# KiCad board atonceplus.kicad_pcb (continued)
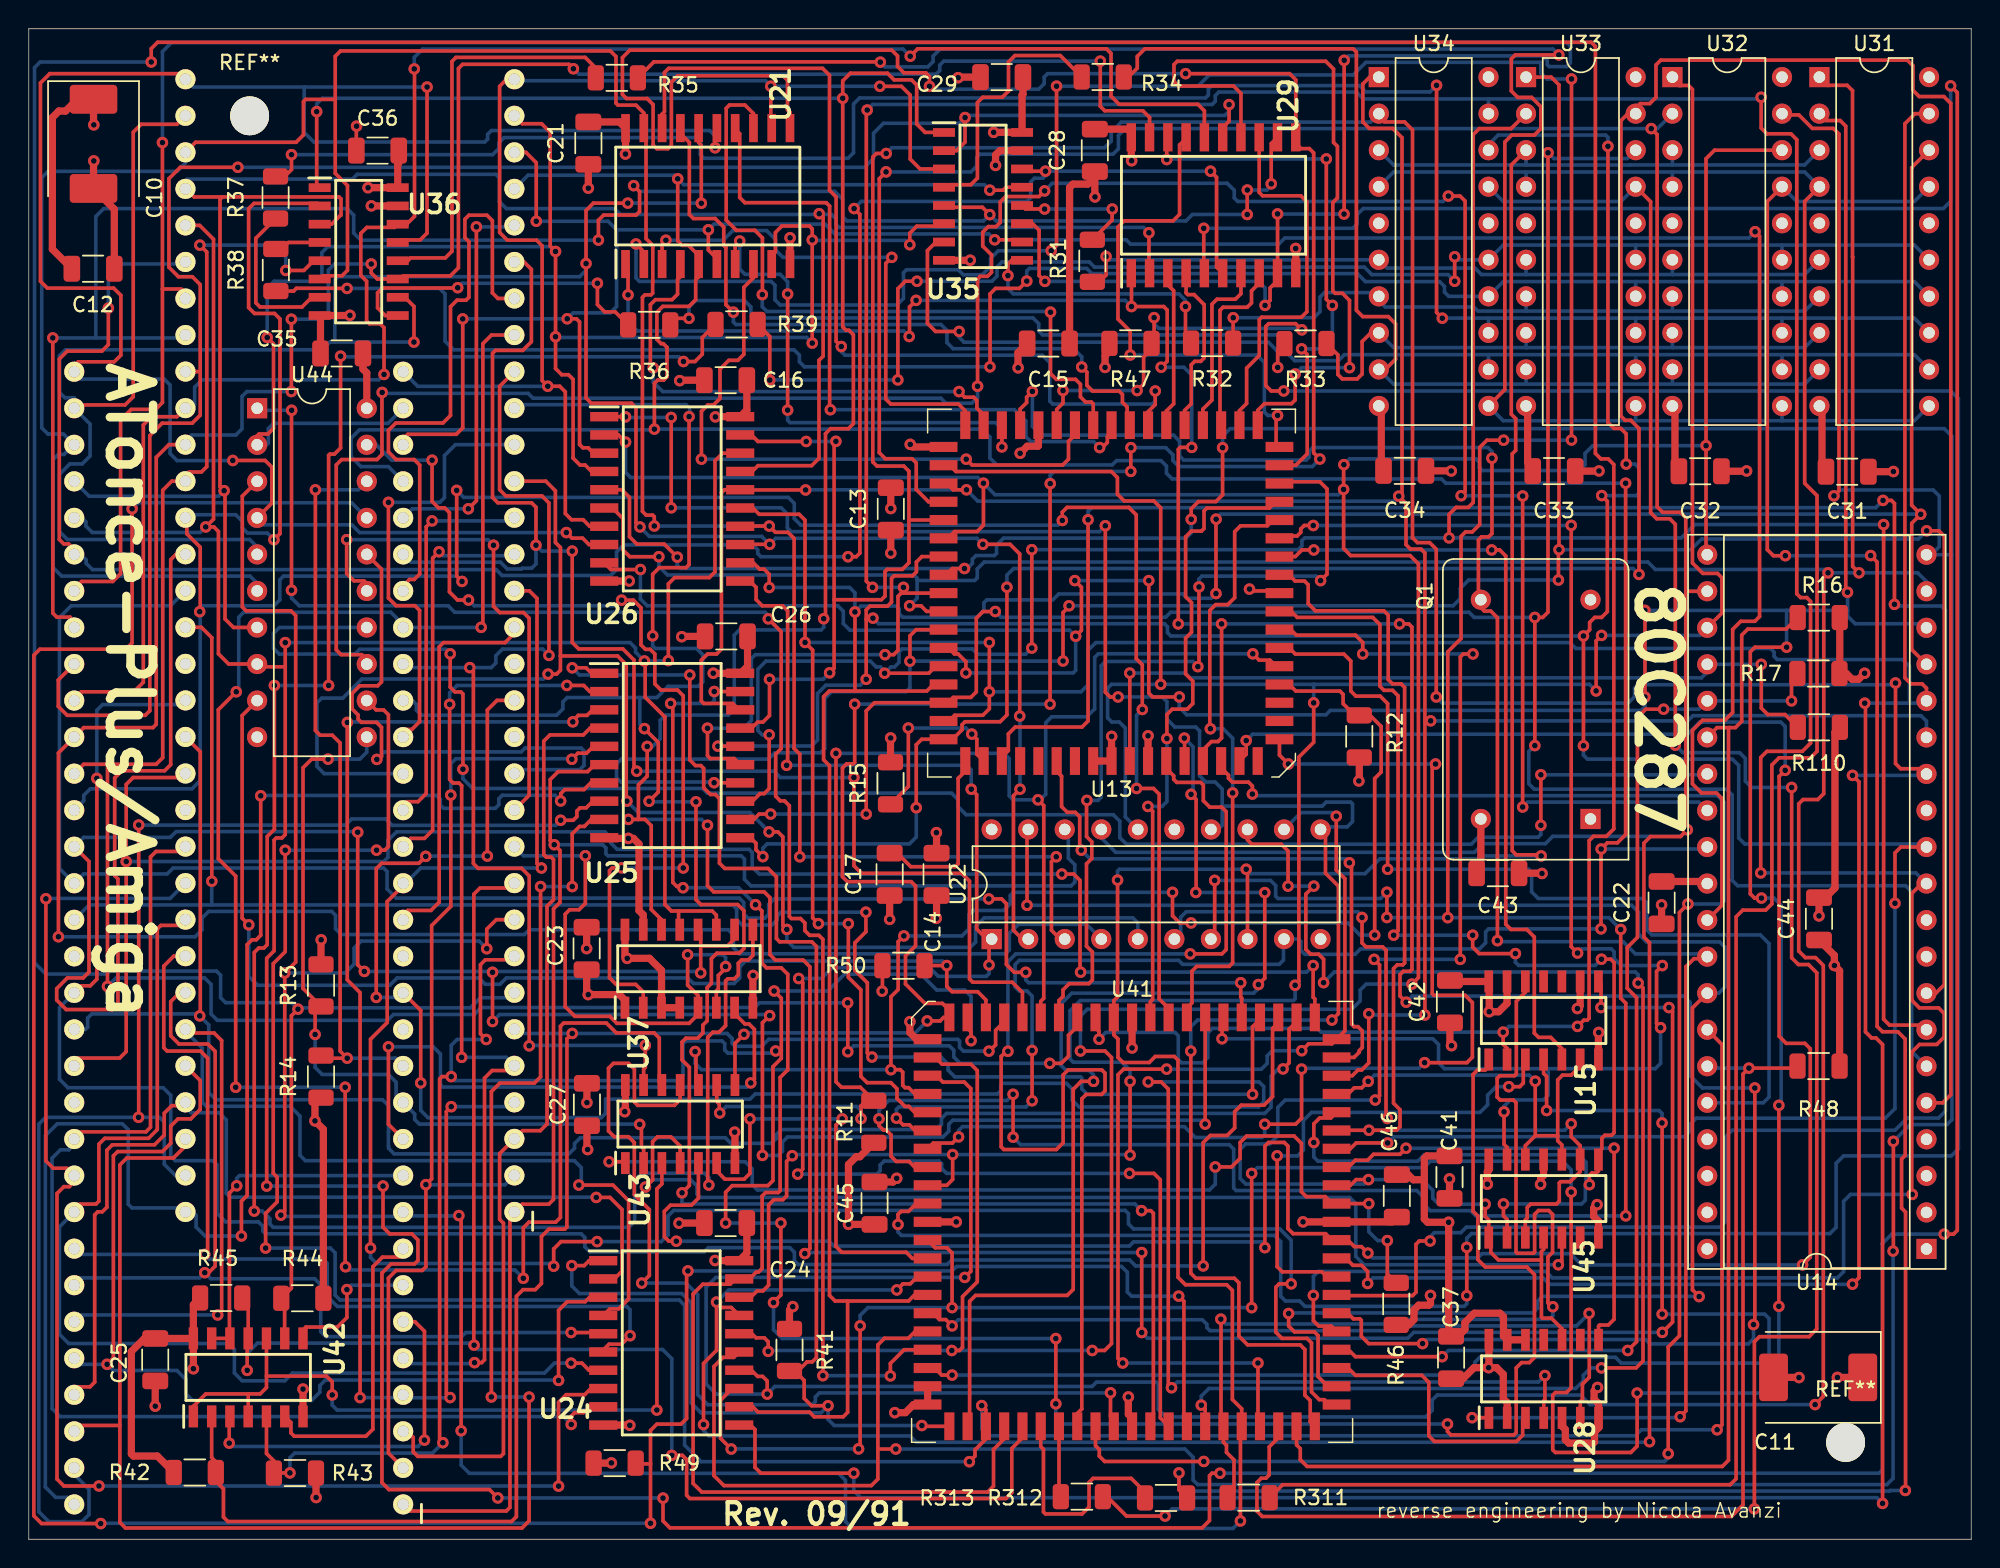
[diagram p0: board, top side]
## Routing (per net, layer and track width the routed paths; a pad name or vN(x,y) marks a point on that pad's centre or on a via; arc(x,y) is an arc through that point)
GND: length 161.6
  Top w0.25: v1(22.78,98.23) 22.77,98.22 C36.2 ; v1(84.84,66.05) 84.97,65.92 86.4,65.92 86.55,65.77 U13.9
  Top w0.5: U41.43 76.68,8.43 76.42,8.69 v1(76.42,9.89) ; 96.99,24.99 96.22,24.99 95.87,25.34 C46.2 ; 96.99,24.99 96.99,22.26 97.22,22.03 v1(98.68,22.03) 98.68,14.28 C37.2 99.34,14.11 99.81,14.58 99.81,15.06 100.46,15.71 102.25,15.71 102.49,15.47 102.49,14.12 U28.13 U28.12 ; 96.99,24.99 96.99,26.48 97.16,26.64 C41.2 ; U37.15 42.7,43.41 42.41,43.7 42.41,48.33 42.02,48.72 v1(41.67,48.72) 40.04,48.72 U25.10 ; U26.10 41.72,66.61 v1(41.73,66.61) ; v1(74.1,93.31) 74.09,93.32 74.09,95.08 74.09,94.69 73.6,94.2 72.57,94.2 72.34,93.97 C15.2 ; v1(50.34,39.19) 50.32,39.17 U37.8 ; v1(49.06,28.3) 49.08,28.28 U43.7 ; C22.2 116.5,45.72 U14.30 ; U15.7 109.09,35.21 v1(109.11,35.23) ; C23.2 38.77,37.97 v1(38.88,37.86) 41.05,37.86 41.44,37.47 U37.1 ; v1(45.38,62.74) 45.4,62.76 C26.2 ; v1(76.68,34.15) U41.1 ; v1(88.05,89.73) 88.06,89.72 U29.10 ; C32.2 119.37,74.24 v1(119.39,74.26) ; 39.92,7.94 41.75,7.94 v1(41.77,7.92) ; v1(22.32,85.08) 22.31,85.06 U36.8 20.28,85.01 C35.2 ; v1(67.19,95.5) 67.19,96.23 67.49,96.53 U35.15 ; v1(98.86,74.26) 98.85,74.27 C34.2 ; v1(65.43,88.91) 65.43,88.91 U35.8 ; C33.2 109.12,74.25 v1(109.13,74.26) ; v1(123.03,11.24) 123.02,11.25 C11.2 ; v1(129.59,74.22) 129.58,74.21 C31.2 ; v1(23.81,92.69) 23.81,92.69 U36.15 ; C13.2 v1(59.91,71.65) ; C29.2 64.63,101.64 v1(64.59,101.6) ; C12.2 5.94,92.45 C10.2 4.5,95.8 v1(4.52,95.81) ; v1(45.19,21.97) 45.2,21.98 C24.2 ; C14.2 63.09,43.18 v1(63.07,43.16) ; U45.11 105.28,25.3 105.07,25.09 v1(105.07,24.67) ; v1(109,23.26) 108.76,23.02 108.76,22.44 109.09,22.11 U45.7 ; v1(109.03,10.55) 108.79,10.31 108.79,9.74 109.1,9.43 U28.7 109.1,7.74 108.82,7.46 108.82,6.77 108.73,6.68 107.03,6.68 106.79,6.92 106.79,7.63 106.56,7.86 U28.5 ; U42.7 v1(19.06,10.44) ; v1(60.32,25.09) 60.06,24.83 C45.2 ; v1(52.91,90.47) 52.91,90.47 U21.10 ; v1(98.88,34.31) 98.77,34.42 C42.2 ; R110.1 125.53,56.1 125.53,45.27 124.87,44.61 C44.2 v1(124.42,43.33) ; 38.89,95.58 v1(38.89,93.92) ; U13.35 61.44,75.93 v1(61.26,76.11) ; C16.2 45.27,80.57 v1(45.24,80.54) ; v1(75.26,55.81) 75.25,55.8 U13.60 U13.59 ; v1(105.17,46.28) 105.15,46.3 C43.2 ; C27.2 v1(38.79,30.35) ; C17.2 v1(59.83,43.09) ; C25.2 v1(8.79,9.25)
VCC: length 215
  Top w0.25: v1(59.31,38.1) 59.33,38.12 R50.1
  Top w0.5: R11.2 57.76,26.59 57.51,26.59 56.97,26.05 v1(56.97,21.89) 56.97,21.89 C45.1 ; U28.2 102.75,9.5 102.48,9.77 102.48,11.46 102.01,11.93 v1(101.46,11.93) ; C13.1 v1(59.91,68.55) ; v1(61.24,35.98) 61.24,35.22 61.7,34.76 U41.12 ; v1(47.7,19.38) 47.71,19.36 49.38,19.36 49.91,19.89 C24.1 ; C33.1 104.53,74.5 104.17,74.86 104.17,78.67 U33.10 ; C27.1 38.79,27.14 v1(38.84,27.09) ; R43.1 19.96,2.91 v1(19.97,2.9) ; C11.1 v1(125.7,11.25) ; C41.1 v1(98.74,25.05) ; v1(107.63,36.89) 107.82,37.08 U15.9 ; v1(101.37,24.68) 101.37,25.55 101.47,25.65 U45.14 ; C46.1 94.75,22.06 U41.64 88.56,22.06 v1(88.56,22.06) ; v1(67.06,97.8) 68.11,97.8 68.12,97.8 U35.16 69.03,100.39 69.09,100.45 C29.1 ; U34.10 94,78.61 94,74.42 C34.1 ; U15.13 102.74,37.25 102.16,36.67 v1(101.5,36.67) 101.5,38.74 U15.14 98.84,38.77 C42.1 ; v1(40.49,5.31) 40.47,5.29 R49.1 ; C16.1 49.91,78.5 U26.20 47.74,78.03 v1(47.72,78.02) ; R13.1 20.31,41.66 v1(20.32,41.67) ; v1(47.57,60.2) 47.57,60.19 U25.20 49.47,60.19 49.96,60.67 49.96,62.76 ; C12.1 1.64,89.67 1.64,98.83 2.09,99.28 2.56,99.28 3.38,100.1 C10.1 4.5,98.34 v1(4.52,98.32) ; C21.1 41.05,98.53 U21.20 41.47,96.3 v1(41.47,96.29) ; R47.1 75.11,82.58 74.8,82.27 v1(74.8,81.46) ; U13.62 v1(77.79,55.85) ; R15.1 59.89,55.69 v1(59.9,55.7) ; R44.1 20.47,28.5 v1(19.89,29.08) 19.89,30.28 R14.1 ; R12.1 92.47,52.74 v1(92.44,52.71) ; v1(76.65,95.83) 76.62,95.85 U29.20 76.62,97.78 76.38,98.03 C28.1 ; v1(60.19,8.8) 60.93,8.8 61.49,9.36 U41.32 U41.31 ; C43.1 100.92,46.59 Q1.14 ; v1(23.58,93.95) 23.58,93.95 U36.16 25.64,95.6 25.72,95.67 25.72,96.53 ; R46.1 95.9,14.9 96.27,15.27 96.27,15.94 96.6,16.27 97.31,16.27 97.42,16.38 v1(97.42,16.95) ; C14.1 63.09,49.11 v1(63.08,49.12) ; C31.1 124.63,74.48 124.63,78.6 U31.10 ; v1(127.59,60.2) 127.17,59.78 126.72,59.78 126.32,60.18 R17.1 125.86,60.2 R16.1 ; U43.14 41.46,29.76 v1(41.42,29.72) ; U42.14 11.44,16.3 R45.1 ; U42.14 11.43,13.96 8.03,13.96 7.13,13.05 7.13,5.93 7.28,5.78 8.94,5.78 10.08,4.64 ; U42.14 v1(11.44,11.85) ; U44.20 23.49,81.08 23.22,81.34 C35.1 ; U41.22 64.46,22.06 v1(64.46,22.06) ; v1(68.9,75.49) 69.39,75.98 70.13,75.98 70.17,76.02 U13.30 ; v1(101.46,11.93) 100.44,11.93 99.68,11.16 C37.1 ; v1(101.46,11.93) 101.48,11.94 U28.14 ; C22.1 v1(113.48,44.1) ; C23.1 v1(38.77,41.06) ; U37.4 U37.3 43.97,39.55 43.14,40.38 v1(41.59,40.38) 41.44,40.53 U37.16 ; C44.1 125.49,40.58 v1(125.49,39.88) 125.85,39.52 R48.1 ; U32.10 114.41,78.6 114.41,74.52 C32.1 ; 69.38,83.12 68.75,82.48 68.75,81.44 v1(68.76,81.43) ; v1(53.1,16.17) 52.87,15.94 R41.1
6_A0: length 35.8
  Top w0.25: v1(59.98,89.11) 59.56,88.69 59.56,79.26 59.91,78.91 64.61,78.91 65.09,78.43 U13.34 ; 44.02,88.72 44.02,90.03 v1(44.28,90.3)
  Bottom w0.25: v1(59.98,89.11) 52.41,89.11 51.91,89.61 51.91,90.34 51.28,90.97 48.93,90.97 48.26,90.3 v1(44.28,90.3)
6_A1: length 34.8
  Top w0.25: v1(43.4,81.43) 43.2,81.63 43.2,85.82 43.55,86.17 44.71,86.17 45.09,86.55 45.09,87.57 45.28,87.77 45.28,88.72 ; U13.33 66.36,78.16 65.89,78.63 65.89,79.17 65.67,79.39 65.04,79.39 v1(64.65,79.78)
  Bottom w0.25: v1(43.4,81.43) 43.4,80.44 44.06,79.78 v1(64.65,79.78)
6_A2: length 34.8
  Top w0.25: 49.09,88.72 49.09,89.93 v1(49.41,90.24) ; U13.32 v1(67.63,75.93) ; v1(52.74,78.49) v1(52.74,86.56)
  Bottom w0.25: v1(67.63,75.93) 67.63,77.21 67.22,77.62 52.91,77.62 52.74,77.79 v1(52.74,78.49) ; v1(52.74,86.56) 52.74,87.41 52.22,87.93 49.78,87.93 49.41,88.3 v1(49.41,90.24)
6_A3: length 44.1
  Top w0.25: U13.28 72.71,76.77 72.26,76.32 72.26,75.08 71.85,74.67 65.56,74.67 v1(65.15,75.08) ; 50.37,88.72 50.37,87.69 49.7,87.03 49.7,82.37 49.28,81.95 48.65,81.95 48.04,81.34 48.04,79.3 47.59,78.85 47.19,78.85 46.75,78.41 v1(46.75,75.08)
  Bottom w0.25: v1(65.15,75.08) v1(46.75,75.08)
6_A4: length 49.2
  Top w0.25: 50.37,98.02 50.37,99.1 49.77,99.7 48.7,99.7 48.47,99.47 48.47,91.7 49.18,90.99 50.46,90.99 50.99,90.46 50.99,86.53 v1(50.98,86.52) ; U13.27 73.98,78.92 73.85,79.05 73.45,79.05 73.09,79.41 73.09,80.29 72.75,80.63 71.41,80.63 71.01,81.03 v1(71.01,85.3)
  Bottom w0.25: v1(50.98,86.52) 50.98,85.67 51.3,85.35 70.96,85.35 v1(71.01,85.3)
6_A5: length 48
  Top w0.25: U13.26 75.25,76.92 74.96,76.63 74.96,76.24 74.61,75.89 v1(74.42,75.89) ; v1(55.71,78.52) 55.66,78.57 55.66,92.67 55.42,92.91 49.77,92.91 49.41,93.27 49.41,97.7 49.09,98.02
  Bottom w0.25: v1(74.42,75.89) 74.01,76.3 69.65,76.3 69.3,76.65 69.3,77.73 68.51,78.52 v1(55.71,78.52)
6_A6: length 48.7
  Top w0.25: U13.25 76.52,78.06 76.34,78.24 76.34,78.7 76.01,79.03 76.01,79.58 75.78,79.81 73.94,79.81 73.54,80.21 73.54,81.13 v1(73.18,81.49) ; v1(48.97,85.3) 48.45,85.82 48.45,89.79 48.3,89.94 48.3,91.21 47.7,91.81 46.19,91.81 45.91,92.09 45.91,97.1 45.28,97.72 45.28,98.02
  Bottom w0.25: v1(73.18,81.49) 73.18,82.2 72.62,82.76 64.24,82.76 63.81,83.19 63.81,84.03 63.4,84.44 49.15,84.44 48.97,84.62 v1(48.97,85.3)
6_A7: length 63.6
  Top w0.25: v1(56.47,82.91) 56.11,83.27 56.11,93.31 55.65,93.77 55.65,101.77 55.17,102.25 44.47,102.25 44.18,101.96 44.18,99.23 44.02,99.06 44.02,98.02 ; U13.24 77.79,78.38 78.29,78.88 v1(78.29,79.82)
  Bottom w0.25: v1(78.29,79.82) 78.29,79.12 78.08,78.91 71.17,78.91 70.96,79.12 70.96,81.79 70.44,82.31 56.72,82.31 56.47,82.56 v1(56.47,82.91)
6_A8: length 11
  Top w0.25: 79.16,88.08 79.16,87.19 79.57,86.79 79.57,78.93 79.06,78.42 U13.23
6_A9: length 12.2
  Top w0.25: 80.44,88.08 80.44,86.63 80.55,86.52 80.99,86.52 81.69,85.82 81.69,82.12 81.45,81.88 81.03,81.88 80.79,81.64 80.79,78.93 80.33,78.47 U13.22
6_A10: length 12.5
  Top w0.25: U13.21 81.6,78.56 82.23,79.19 82.23,85.85 82.58,86.2 83.86,86.2 84.25,86.59 84.25,88.08
6_A11: length 12.8
  Top w0.25: 85.51,88.08 85.51,87.31 84.98,86.78 84.98,85.94 84.68,85.64 83,85.64 82.79,85.43 82.79,78.13 82.87,78.06 U13.20
6_A12: length 26.4
  Top w0.25: 85.51,97.38 85.51,93.62 85.75,93.39 88.41,93.39 88.83,92.97 88.83,85.33 88.45,84.95 85.69,84.95 85.52,84.78 85.52,82.29 84.64,81.41 84.64,78.95 84.14,78.45 U13.19
6_A13: length 52.2
  Top w0.25: v1(88.01,81) 88.01,79.19 87.76,78.94 85.88,78.94 85.41,78.47 U13.18 ; v1(91.79,81.44) 91.79,86.12 91.3,86.61 90.79,86.61 90.63,86.77 90.63,92.92 90.95,93.24 90.95,96.83 90.68,97.1 90.68,102.2 90.14,102.74 79.82,102.74 79.59,102.51 79.59,101.34 79.91,101.02 83.73,101.02 84.25,100.5 84.25,97.38
  Bottom w0.25: v1(88.01,81) 88.45,81.44 v1(91.79,81.44)
6_A14: length 35.7
  Top w0.25: v1(76.55,82.32) 76.55,83.97 75.7,84.82 75.7,91.22 76.13,91.65 79.53,91.65 79.98,92.1 79.98,96.92 80.44,97.38 ; v1(86.79,78.12) 86.69,78.02 86.69,76.09 86.85,75.93 U13.17
  Bottom w0.25: v1(86.79,78.12) 86.11,78.12 85.87,78.36 85.87,81.81 85.36,82.32 v1(76.55,82.32)
6_A15: length 37.6
  Top w0.25: v1(79.09,95.91) 79.09,97.31 79.16,97.38 ; v1(88.46,82.75) 88.85,82.36 88.85,75.45 88.06,74.66 U13.16 ; v1(90.6,85.77) 90.18,86.19 v1(90.18,95.95)
  Bottom w0.25: v1(88.46,82.75) 90.17,82.75 90.6,83.18 v1(90.6,85.77) ; v1(79.09,95.91) 79.13,95.95 v1(90.18,95.95)
6_A16: length 59.5
  Top w0.25: v1(89.78,66.64) 90.23,67.09 90.23,73.01 89.73,73.51 87.35,73.51 87.23,73.39 U13.15 ; v1(81.25,60.66) 81.33,60.74 v1(81.33,66.2) ; U41.5 71.6,37.45 71.88,37.73 71.88,38.19 72.31,38.62 73.67,38.62 73.92,38.87 73.92,40.82 73.51,41.23 73.51,46.95 73.88,47.32 73.88,48.48 73.51,48.85 73.51,51.33 v1(73.54,51.36)
  Bottom w0.25: v1(81.25,60.66) 81.25,60.68 80.91,61.02 74.83,61.02 74.53,60.72 74.53,51.58 74.31,51.36 v1(73.54,51.36) ; v1(89.78,66.64) 89.47,66.95 81.53,66.95 81.33,66.75 v1(81.33,66.2)
6_A17: length 44.9
  Top w0.25: U41.84 77.95,37.36 78.11,37.52 78.11,50.61 v1(77.78,50.94) ; U13.14 86.66,72.12 86.22,71.68 81.88,71.68 81.68,71.48 81.68,70.26 81.5,70.08 80.8,70.08 80.4,69.68 80.4,65.52 80.81,65.11 80.81,63.05 80.4,62.64 80.4,60.15 80.9,59.65 80.9,58.09 80.51,57.7 79.47,57.7 79.1,57.33 v1(79.1,55.66)
  Bottom w0.25: v1(79.1,55.66) 79.1,51.28 78.76,50.94 v1(77.78,50.94)
6_A18: length 42.2
  Top w0.25: U13.13 86.48,70.85 86.08,70.45 84.22,70.45 83.81,70.04 83.81,65.45 83.33,64.97 82.49,64.97 82.08,64.56 82.08,56.34 ; v1(83.67,51.88) 83.67,40.07 83.42,39.82 81.17,39.82 80.84,39.49 80.84,37.28 80.49,36.93 ; U41.82 80.49,36.89
  Bottom w0.25: 82.08,56.34 v1(82.12,56.34) 83.01,56.34 83.67,55.68 v1(83.67,51.88)
6_A19: length 107.3
  Top w0.25: v1(107.64,40.75) 107.2,41.19 v1(107.2,70.48) ; v1(82.93,34.79) 82.93,36.17 U41.80 ; U45.13 102.74,27.24 102.53,27.45 v1(102.53,29.71) ; v1(113.41,35.56) 113.13,35.84 113.13,39.48 v1(113.53,39.88) ; v1(89.27,70.47) 88.64,70.47 88.4,70.23 88.4,69.99 88.15,69.74 87.72,69.74 87.56,69.58 U13.12
  Bottom w0.25: v1(113.41,35.56) 113.41,33.08 113.04,32.71 105.6,32.71 ; v1(113.53,39.88) 110.66,39.88 110.18,40.36 110.18,40.84 109.97,41.05 108.95,41.05 108.95,41.04 107.93,41.04 v1(107.64,40.75) ; v1(102.53,29.71) 102.53,30.1 102.97,30.54 105.27,30.54 105.6,30.87 105.6,32.71 ; v1(82.93,34.79) 97.58,34.79 97.98,34.39 97.98,33.12 98.39,32.71 105.6,32.71 ; v1(107.2,70.48) 107.19,70.47 v1(89.27,70.47)
6_A20: length 53.6
  Top w0.25: v1(101.67,68.77) 102.23,68.77 102.65,68.35 102.65,42.75 103.01,42.39 104.11,42.39 104.64,41.86 104.64,35.18 104.93,34.89 105.77,34.89 106.55,34.11 106.55,33.58 ; U13.11 88.02,68.31 88.48,68.77 v1(89.31,68.77)
  Bottom w0.25: v1(89.31,68.77) v1(101.67,68.77)
6_A21: length 76.3
  Top w0.25: U13.10 87.58,67.04 88.01,66.61 88.66,66.61 88.92,66.35 88.92,65.04 89.42,64.54 94.18,64.54 94.48,64.24 94.48,59.76 94.78,59.46 95.38,59.46 95.62,59.22 95.62,40.06 95.49,39.93 95.11,39.93 94.85,39.67 94.85,30.31 95.3,29.86 95.3,28.68 95.05,28.43 v1(93.14,28.43) 90.91,28.43 U41.69 ; 104.01,21.2 104.01,22.2 104.14,22.33 104.14,23.06 104.38,23.3 106.17,23.3 106.37,23.5 106.37,24.76 106.46,24.85 107.12,24.85 107.82,25.55 107.82,27.36 107.2,27.98 v1(107.2,28.88)
  Bottom w0.25: v1(93.14,28.43) 106.75,28.43 v1(107.2,28.88)
6_A22: length 98.5
  Top w0.25: v1(94.86,41.99) 95.17,42.3 95.17,58.63 94.79,59.01 94.19,59.01 93.9,59.3 93.9,63.59 93.41,64.08 88.16,64.08 87.74,64.5 U13.8 ; U41.70 90.49,29.28 89.71,29.28 89.31,28.88 v1(89.31,27.58) ; v1(103.32,40.71) 100.8,40.71 100.35,41.16 v1(100.35,41.99) ; v1(102.49,23.31) 102.49,22.48 102.74,22.23 102.74,21.2 ; v1(108.46,24.65) 108.46,25.28 108.64,25.46 108.95,25.46 109.09,25.6 109.09,26.9 109.33,27.14 109.33,27.88 109.53,28.08 110,28.08 110.18,28.26 110.18,40.09 109.95,40.32 v1(109.3,40.32)
  Bottom w0.25: v1(102.49,23.31) 107.92,23.31 108.18,23.57 108.18,24.53 108.3,24.65 v1(108.46,24.65) 108.46,24.77 108.23,25 108.23,26.2 107.7,26.73 96.98,26.73 96.53,26.28 89.6,26.28 89.31,26.57 v1(89.31,27.58) ; v1(103.32,40.71) 103.32,40.11 103.54,39.89 108.87,39.89 v1(109.3,40.32) ; v1(94.86,41.99) v1(100.35,41.99)
6_A23: length 103.7
  Top w0.25: v1(93.11,25) 92.25,25 91.85,24.6 U41.66 ; 105.13,19.4 105.12,19.41 102.14,19.41 101.61,19.94 101.61,21.14 101.54,21.2 101.47,21.2 101.47,22.19 101.22,22.44 v1(101.22,23.29) ; 105.13,19.4 105.13,15.44 105.2,15.37 105.82,15.37 106.56,14.63 U28.10 ; 105.13,19.4 105.13,20 105.28,20.15 U45.4 ; v1(93.5,40.31) 93.88,39.93 93.88,30.83 v1(93.58,30.53) ; v1(99.49,40.31) 99.49,61.33 99.7,61.54 v1(100.37,61.54) ; 105.28,20.33 105.28,21.2 ; U13.7 87.71,63.23 88.09,62.85 92.2,62.85 92.71,62.34 v1(92.71,61.54)
  Bottom w0.25: v1(92.71,61.54) v1(100.37,61.54) ; v1(99.49,40.31) v1(93.5,40.31) ; v1(101.22,23.29) 97.99,23.29 97.58,23.7 97.58,24.25 96.83,25 v1(93.11,25) 92.8,24.69 84.58,24.69 84.19,25.08 84.19,27.1 84.57,27.48 86.24,27.48 86.81,28.05 86.81,30.02 87.32,30.53 v1(93.58,30.53)
6_COD\~{INTA}: length 127.4
  Top w0.25: v1(85.04,51.8) 85.04,52.36 84.77,52.63 83.65,52.63 83.38,52.9 83.38,53.11 82.87,53.62 U13.66 ; v1(113.94,5.95) 113.94,13.36 114.72,14.14 114.72,43.57 v1(115.31,44.16) ; v1(81.66,5.4) 74.78,5.4 74.4,5.78 74.4,6.24 74.14,6.5 U41.41
  Bottom w0.25: v1(85.04,51.8) 85.15,51.69 117.36,51.69 117.82,51.23 117.82,44.37 117.61,44.16 v1(115.31,44.16) ; v1(113.94,5.95) 113.94,5.66 113.68,5.4 v1(81.66,5.4)
6_D0: length 219
  Top w0.25: U24.18 50.19,16.83 50.62,17.26 51.02,17.26 51.42,17.66 51.42,23.24 51.78,23.6 52.41,23.6 52.67,23.86 52.67,26.27 v1(53.06,26.66) ; v1(78.67,59.43) 78.67,71.7 78.19,72.18 76.13,72.18 75.66,72.65 75.66,73.8 75.24,74.22 64.44,74.22 64,74.66 U13.36 ; v1(88.01,38.51) 88.27,38.77 88.27,54.37 89.3,55.4 v1(89.3,58.14) ; U32.1 114.23,101.51 114.68,101.06 115.35,101.06 115.62,100.79 115.62,67.87 116.35,67.14 117.37,67.14 117.68,66.83 117.68,64.39 U14.23 ; v1(64.21,26.74) 64.21,25.01 63.8,24.6 U41.20 ; v1(109.31,62.83) 108.93,62.45 v1(108.93,58.97) ; v1(76.54,26.7) v1(76.54,31.83)
  Bottom w0.25: v1(53.06,26.66) 53.14,26.74 v1(64.21,26.74) 76.5,26.74 v1(76.54,26.7) ; 89.32,59.43 89.3,59.41 v1(89.3,58.14) ; 89.32,59.43 108.47,59.43 v1(108.93,58.97) ; 89.32,59.43 v1(78.67,59.43) 75.25,59.43 74.98,59.16 74.98,57.1 75.27,56.81 75.79,56.81 76.21,56.39 76.21,50.21 U22.16 ; v1(88.01,38.51) 88.01,37.56 87.9,37.45 73.08,37.45 72.37,36.74 72.36,36.74 72.36,33.39 72.59,33.16 75.97,33.16 76.54,32.59 v1(76.54,31.83) ; U14.23 116.12,62.83 v1(109.31,62.83)
6_D1: length 316.2
  Top w0.25: 115.16,65.88 115.16,49.43 v1(115.27,49.32) 114.8,48.85 112.71,48.85 112.25,48.39 112.25,41.86 112.64,41.47 v1(112.64,6.78) ; 115.16,65.88 115.16,71.01 114.78,71.39 113.55,71.39 113.17,71.77 113.17,97.65 v1(112.76,98.06) ; 115.16,65.88 115.18,65.9 U14.22 ; v1(46.89,7.97) 46.89,12.22 47.8,13.13 v1(47.8,16.48) 48.17,16.11 48.82,16.11 U24.17 ; v1(60.33,17.33) 60.75,17.75 61.26,17.75 61.76,18.25 U41.25 ; U13.38 62.53,72.12 61.68,72.97 61.68,74.82 61.39,75.11 59.53,75.11 59.11,75.53 59.11,94.58 v1(59.58,95.05)
  Bottom w0.25: v1(46.89,7.97) 46.89,7.56 47.27,7.18 61.25,7.18 61.69,6.74 112.6,6.74 v1(112.64,6.78) ; U22.17 74.54,48.75 75.54,47.75 100.47,47.75 101.07,48.35 105.4,48.35 105.91,48.86 114.81,48.86 v1(115.27,49.32) ; v1(47.8,16.48) 48.65,17.33 v1(60.33,17.33) ; U32.2 113.19,98.06 v1(112.76,98.06) 76.2,98.06 75.73,97.59 75.73,96.66 75.35,96.28 66.1,96.28 65.88,96.06 65.88,95.45 65.48,95.05 v1(59.58,95.05)
6_D2: length 262.4
  Top w0.25: U41.13 63.01,33.49 63.48,33.02 65.48,33.02 65.92,32.58 65.92,17.89 64.9,16.87 64.9,13.34 64.68,13.12 v1(64.15,13.12) ; v1(41.47,76.27) 40.98,76.77 U26.2 ; v1(66.35,73.41) 66.35,70.49 65.91,70.05 64.34,70.05 63.87,69.58 U13.40 ; U14.21 116.57,68.52 v1(116.57,76.02) 116.57,95.97 117.16,96.56 U32.18 ; v1(73.09,33.94) 74.8,33.94 75.25,33.49 75.25,13.6 74.77,13.12 v1(73.91,13.12) ; v1(96.13,38.59) 96.58,39.04 96.58,67.8 96,68.38 91.87,68.38 91.38,68.87 v1(91.38,72.98) 91.38,74.68 v1(91.4,74.7) ; v1(51.39,13.06) 51.39,13.73 51.12,14 50.54,14 50.25,14.28 49.38,14.28
  Top w0.5: U41.13 62.91,33.49
  Bottom w0.25: v1(116.57,76.02) 108.7,76.02 108.16,75.48 108.16,74.7 107.75,74.29 101.02,74.29 100.81,74.5 100.81,74.87 100.58,75.1 91.8,75.1 v1(91.4,74.7) ; v1(41.47,76.27) 41.47,74.17 41.83,73.81 65.95,73.81 v1(66.35,73.41) 67.15,72.61 91.01,72.61 v1(91.38,72.98) ; v1(96.13,38.59) 92.95,38.59 92.53,38.17 92.53,37.42 91.95,36.84 73.56,36.84 73.09,36.37 v1(73.09,33.94) ; v1(73.91,13.12) v1(64.15,13.12) 51.45,13.12 v1(51.39,13.06)
6_D3: length 334.7
  Top w0.25: v1(129.57,20.03) 129.59,20.05 v1(129.59,27.66) ; U26.5 41.22,72.95 41.75,72.43 41.75,69.69 42.26,69.18 44.16,69.18 v1(45.07,68.27) ; 59.01,6.3 59.01,13.51 59.47,13.97 61.13,13.97 61.6,14.44 U41.28 ; 59.01,6.3 59.01,4.18 58.56,3.73 48.31,3.73 47.62,4.42 47.62,12.01 48.25,12.64 49,12.64 49.38,13.01 ; 59.01,6.3 59.04,6.27 v1(60.26,6.27) ; U32.19 121.94,99.01 123.02,99.01 123.96,98.07 125.42,98.07 125.81,97.68 125.81,72.88 v1(125.46,72.53) ; v1(80.79,70.9) 80.79,71.63 81.29,72.13 82.5,72.13 82.97,72.6 v1(82.97,75.88) ; v1(65.03,67.48) 64.19,67.48 63.75,67.04 U13.42
  Bottom w0.25: v1(60.26,6.27) 80.35,6.27 80.92,5.7 80.92,4.12 81.24,3.8 129.14,3.8 129.57,4.23 v1(129.57,20.03) ; 133.66,68.45 133.66,76.67 133.13,77.2 83.49,77.2 82.97,76.68 v1(82.97,75.88) ; 133.66,68.45 133.66,29.17 133.32,28.83 130.76,28.83 v1(129.59,27.66) ; 133.66,68.45 133.65,68.44 U14.20 132.22,68.44 132.78,69 132.78,72.52 132.36,72.94 125.87,72.94 v1(125.46,72.53) ; v1(80.79,70.9) 80.79,69.96 80.42,69.59 67.74,69.59 67.26,69.11 67.26,68.53 67.11,68.38 65.83,68.38 65.58,68.13 65.58,67.84 65.22,67.48 v1(65.03,67.48) 45.29,67.48 45.07,67.7 v1(45.07,68.27)
6_D4: length 325.3
  Top w0.25: v1(125.05,67.18) 124.75,66.88 124.75,51.83 124.34,51.42 123.31,51.42 123.01,51.12 123.01,40.89 123.47,40.43 124.18,40.43 124.72,39.89 124.72,9.93 v1(124.15,9.36) ; U24.14 50.22,11.75 50.65,11.32 51,11.32 51.32,11 v1(51.32,10.09) ; v1(61.22,64.89) 62.01,64.89 62.4,64.5 U13.44 ; v1(65.05,18.2) 65.47,18.62 65.47,31.33 65.02,31.78 63.53,31.78 63.09,32.22 U41.14 ; U31.1 125.02,101.07 126.38,101.07 126.75,100.7 126.75,89.15 126.76,89.14 126.76,67.62 v1(127.2,67.18) ; U26.6 40.56,71.69 41.3,70.95 41.3,68.77 41.77,68.3 v1(43.79,68.3)
  Bottom w0.25: v1(124.15,9.36) 108.51,9.36 107.85,10.02 97.89,10.02 97.54,9.67 97.54,8.96 97.08,8.5 79.02,8.5 78.5,9.02 78.5,10.79 78.37,10.92 74.2,10.92 73.9,10.62 51.85,10.62 v1(51.32,10.09) 47.78,10.09 47.08,10.79 47.08,17.53 47.75,18.2 v1(65.05,18.2) ; 61.74,66.65 61.74,66.81 61.52,67.03 44.39,67.03 43.79,67.63 v1(43.79,68.3) ; 61.74,66.65 61.74,65.41 v1(61.22,64.89) ; 61.74,66.65 65.74,66.65 65.92,66.83 65.92,67.45 66.4,67.93 112.53,67.93 113.05,67.41 124.82,67.41 v1(125.05,67.18) v1(127.2,67.18) 131.28,67.18 131.89,66.57 U14.19
6_D5: length 352.5
  Top w0.25: v1(42.51,67.41) 40.46,67.41 U26.9 ; v1(57.67,6.28) 57.78,6.39 v1(57.78,14.83) ; v1(77.84,66.64) 77.84,58.82 78.11,58.55 v1(79.96,58.55) ; v1(72.7,66.64) 73.16,66.18 73.16,63.18 72.76,62.78 v1(72.76,62.77) ; U13.46 63.91,61.96 64.33,61.54 64.59,61.54 65.13,61 v1(65.13,60.22) ; v1(48.82,6.27) 48.07,7.02 48.07,9.66 48.88,10.47 U24.13 ; v1(122.17,62.01) 119.97,62.01 119.64,61.68 119.64,44.87 119.94,44.57 v1(120.42,44.57) ; v1(126.4,65.83) 126.28,65.95 126.28,98.23 125.89,98.62 124.93,98.62 U31.2 ; v1(121.63,30.16) v1(121.63,16.19) ; v1(84.99,25.43) v1(84.99,16.1) ; v1(112.32,64.57) 112.32,64.57 v1(112.32,58.55) ; v1(111.78,10.16) 111.78,6.47 111.34,6.03 106.1,6.03 105.92,6.21 105.92,10.02 106.1,10.2 106.87,10.2 107.19,10.52 107.19,24.13 v1(107.2,24.13) ; U41.23 63,20.26 63.81,20.26 64.17,19.9 v1(64.17,16.1)
  Bottom w0.25: v1(84.99,25.43) 85.39,25.83 96.96,25.83 97.41,26.28 106.6,26.28 107.2,25.68 v1(107.2,24.13) ; v1(126.4,65.83) 126.41,65.82 126.41,64.57 ; v1(120.42,44.57) 121.29,44.57 121.79,44.07 121.79,30.32 v1(121.63,30.16) ; v1(112.32,58.55) 112.32,57.87 112.07,57.62 90.46,57.62 90.15,57.31 80.48,57.31 79.96,57.83 v1(79.96,58.55) ; v1(72.7,66.64) v1(77.84,66.64) ; v1(84.99,16.1) v1(64.17,16.1) 58.32,16.1 57.78,15.56 v1(57.78,14.83) ; v1(57.67,6.28) 48.83,6.28 v1(48.82,6.27) ; v1(65.13,60.22) 72.58,60.22 72.76,60.4 v1(72.76,62.77) 72.34,63.19 57.07,63.19 56.61,63.65 56.61,64.51 56.23,64.89 42.98,64.89 42.51,65.36 v1(42.51,67.41) ; 126.41,64.57 126.41,64.17 126.94,63.64 131.61,63.64 U14.18 ; 126.41,64.57 122.17,64.57 ; v1(121.63,16.19) 121.63,10.69 121.1,10.16 v1(111.78,10.16) ; 122.17,64.57 v1(122.17,62.01) ; 122.17,64.57 v1(112.32,64.57)
6_D6: length 208.1
  Top w0.25: U13.48 62.87,59.42 62.41,58.96 57.42,58.96 ; U14.17 130.86,61.85 130.86,70.62 v1(131.49,71.25) 130.86,71.88 130.86,95.35 U31.18 ; 56.91,16.56 56.04,16.56 55.65,16.95 55.65,53.77 55.24,54.18 55.24,58.57 55.63,58.96 57.42,58.96 ; 56.91,16.56 61.14,16.56 61.56,16.98 U41.26 ; 56.91,16.56 56.91,8.82 56.6,8.51 54.59,8.51 54.26,8.84 50.68,8.84 50.31,9.21 U24.12 ; v1(82.52,70.91) 82.51,70.9 v1(82.51,65.74) ; 57.42,58.96 v1(57.42,64.46) ; v1(51.46,66.16) 51.46,67.08 51.11,67.43 50.8,67.43 50.35,67.88 U26.12
  Bottom w0.25: v1(51.46,66.16) 57.05,66.16 57.42,65.79 v1(57.42,64.46) 57.83,64.87 60.3,64.87 60.49,64.68 60.49,64.34 60.74,64.09 65.89,64.09 66.38,64.58 66.38,65.1 66.58,65.3 71.17,65.3 71.58,65.71 80.2,65.71 80.5,65.41 82.18,65.41 v1(82.51,65.74) ; v1(131.49,71.25) 131.48,71.26 82.82,71.26 82.52,70.96 v1(82.52,70.91)
6_D7: length 331.4
  Top w0.25: v1(127.6,58.12) 127.65,58.07 127.65,35.27 128.07,34.85 128.38,34.85 128.84,34.39 v1(128.84,2.49) ; U41.16 61.57,29.68 61.16,30.09 60.89,30.09 60.34,30.64 60.34,31.31 59.91,31.74 58.26,31.74 57.83,32.17 57.83,38.19 56.96,39.06 v1(56.96,42.79) ; v1(57.34,4.59) 50.88,4.59 50.47,5 50.47,7.63 50.16,7.94 U24.11 ; U14.16 131.89,59.16 131.59,59.46 130.81,59.46 130.39,59.88 130.39,98.4 131.09,99.1 U31.19 ; v1(54.88,42.79) 54.48,43.19 54.48,61.81 v1(53.95,62.34) 53.95,70.84 53.54,71.25 50.76,71.25 50.32,71.69 U26.15 ; v1(66.76,62.34) v1(66.76,58.91) 66.76,57.73 66.31,57.28 64.35,57.28 63.95,56.88 U13.50
  Bottom w0.25: 130.71,58.12 130.71,60.67 130.23,61.15 121.52,61.15 121.3,61.37 121.3,61.67 121.05,61.92 107.52,61.92 107.11,62.33 74.16,62.33 73.63,61.8 73.63,59.41 73.13,58.91 v1(66.76,58.91) ; 130.71,58.12 131.73,58.12 U14.16 ; 130.71,58.12 v1(127.6,58.12) ; v1(128.84,2.49) 128.44,2.89 57.82,2.89 57.34,3.37 v1(57.34,4.59) ; v1(54.88,42.79) v1(56.96,42.79) ; v1(66.76,62.34) v1(53.95,62.34)
6_D8: length 183.4
  Top w0.25: 97.03,56.89 97.03,68.56 96.76,68.83 96.03,68.83 95.72,69.14 95.72,72 v1(95.21,72.51) 95.44,72.74 95.44,97.43 94.8,98.07 93.17,98.07 92.72,98.52 92.72,101.17 93.19,101.64 U34.1 ; 97.03,56.89 v1(97.43,56.89) ; 97.03,56.89 v1(97.03,36.44) ; U41.72 91.98,32.22 92.38,32.62 92.64,32.62 93.13,33.11 v1(93.13,36.53) ; v1(53.99,72.94) 49.38,72.94 49.37,72.95 48.34,72.95 48.14,72.75 48.14,61.87 47.8,61.53 47.17,61.53 46.74,61.1 46.74,58.27 46.91,58.1 48.93,58.1 49.37,57.66 ; v1(65.17,72.95) 64.25,72.95 63.81,73.39 U13.37
  Bottom w0.25: v1(53.99,72.94) 54,72.95 v1(65.17,72.95) 65.96,72.16 94.89,72.16 95.21,72.48 v1(95.21,72.51) ; v1(97.03,36.44) 93.22,36.44 v1(93.13,36.53) ; v1(97.43,56.89) 115.3,56.89 115.66,57.25 131.51,57.25 131.89,56.87 U14.15
6_D9: length 272.1
  Top w0.25: U34.2 93.83,98.91 94.21,98.53 95.61,98.53 96.17,97.97 96.17,69.62 96.51,69.28 97.36,69.28 97.82,68.82 v1(97.82,58.55) ; U13.39 61.17,70.85 ; 55.97,65.31 55.97,76.19 v1(56.1,76.32) ; 55.97,65.31 55.97,60.54 v1(55.66,60.23) ; 55.97,65.31 59.26,65.31 59.51,65.56 59.51,67.27 59.66,67.42 60.71,67.42 61.17,67.88 61.17,74.24 60.81,74.6 58.95,74.6 58.66,74.89 58.66,96.08 58.91,96.33 v1(59.59,96.33) ; v1(126.75,53.1) 127.2,52.65 127.2,18.18 v1(126.75,17.73) ; U41.62 91.55,19.52 92.03,19.04 92.63,19.04 93.05,18.62 v1(93.05,17.78) ; U25.17 50.24,56.39 50.65,56.8 51.02,56.8 51.48,57.26 v1(51.48,59.78) ; v1(54.03,76.31) 50.68,76.31 50.22,76.77 U26.19 ; U14.14 131.53,53.56 130.1,53.56 129.74,53.92 v1(129.74,59.52)
  Bottom w0.25: v1(56.1,76.32) 56.09,76.31 v1(54.03,76.31) ; v1(55.66,60.23) 55.21,59.78 v1(51.48,59.78) ; v1(126.75,53.1) 131.79,53.1 U14.14 ; v1(93.05,17.78) 93.05,17.79 93.43,18.17 105.24,18.17 105.69,17.72 126.74,17.72 v1(126.75,17.73) ; v1(59.59,96.33) 59.99,96.73 74.77,96.73 75.23,97.19 75.23,97.81 75.93,98.51 93.24,98.51 U34.2 ; v1(97.82,58.55) 98.25,58.12 111.15,58.12 111.6,58.57 111.6,59.16 111.84,59.4 129.62,59.4 v1(129.74,59.52)
6_D10: length 226.5
  Top w0.25: v1(111.02,74.74) 111.02,76.84 110.64,77.22 110.17,77.22 109.75,77.64 v1(109.75,96.83) ; 58.2,63.96 58.6,63.96 v1(58.67,64.03) ; 58.2,63.96 58.2,64.6 58.46,64.86 59.68,64.86 59.96,65.14 59.96,66.79 60.14,66.97 61.42,66.97 61.69,67.24 61.69,67.93 62.07,68.31 U13.41 ; 58.2,63.96 v1(58.2,59.78) 58.2,59.73 ; U41.68 91.84,27.14 92.25,27.55 v1(94.44,27.55) ; v1(47.9,55.13) 49.43,55.13 U25.16 49.52,55.19 ; v1(109.32,72.55) 109.71,72.16 109.71,64.48 109.31,64.08 108.83,64.08 108.48,63.73 108.48,63.22 v1(108.05,62.79) v1(108.05,55.16) ; v1(129.7,44.21) 129.7,47.71 130.11,48.12 U14.12
  Bottom w0.25: U14.12 131.68,48.33 119.26,48.33 118.84,48.75 118.84,53.79 118.4,54.23 108.33,54.23 108.05,54.51 v1(108.05,55.16) ; U34.18 101.45,96.94 102.12,97.61 109.59,97.61 109.75,97.45 v1(109.75,96.83) ; v1(108.05,62.79) 79.37,62.79 79.14,63.02 79.14,63.43 78.93,63.64 59.06,63.64 v1(58.67,64.03) ; v1(129.7,44.21) 129.7,29.94 129.03,29.27 115.89,29.27 115.49,28.87 115.49,28.41 115.06,27.98 94.87,27.98 v1(94.44,27.55) ; v1(58.2,59.78) 57.79,59.37 55.4,59.37 54.82,58.79 54.82,55.56 54.4,55.14 47.91,55.14 v1(47.9,55.13) ; v1(109.32,72.55) 111.73,72.55 111.92,72.74 111.92,74.45 111.63,74.74 v1(111.02,74.74)
6_D11: length 278.8
  Top w0.25: U13.43 60.87,65.77 ; 60.87,65.77 60.87,66.09 v1(60.79,66.17) ; 60.87,65.77 60.64,65.77 60.41,65.54 60.41,61.79 60.11,61.49 v1(59.51,61.49) ; v1(58.27,99.35) 58.21,99.29 58.21,66.6 v1(58.64,66.17) ; v1(130.9,23.97) 130.86,24.01 130.86,33.85 131.4,34.39 132.6,34.39 133.12,34.91 133.12,36.55 132.73,36.93 131.4,36.93 130.86,37.47 130.86,44.88 131.56,45.58 U14.11 ; v1(89.28,16.95) 89.28,15.19 89.65,14.82 90.51,14.82 U41.58 ; v1(120.37,46.32) 120.37,54.34 120.8,54.77 123.26,54.77 123.84,55.35 123.84,65.19 123.57,65.46 123.14,65.46 122.88,65.72 122.88,97.29 122.47,97.7 120.8,97.7 120.4,98.1 v1(120.4,100.24) ; v1(47.17,56.38) 47.17,54.47 47.37,54.27 49.02,54.27 U25.15
  Bottom w0.25: v1(60.79,66.17) v1(58.64,66.17) ; v1(47.17,56.38) 49.69,56.38 50.22,56.91 50.22,61.22 50.49,61.49 v1(59.51,61.49) ; v1(130.9,23.97) 126.61,23.97 126.13,23.49 126.13,18.6 125.7,18.17 105.88,18.17 105.43,18.62 89.63,18.62 89.28,18.27 v1(89.28,16.95) ; 120.33,100.17 v1(120.4,100.24) 120.29,100.13 101.46,100.13 ; v1(58.27,99.35) 58.27,99.36 58.65,99.74 82.25,99.74 82.46,99.95 82.46,100.35 82.71,100.6 92.27,100.6 92.74,100.13 101.46,100.13 ; U34.19 101.45,100.11 101.46,100.13 ; U14.11 131.15,46.32 v1(120.37,46.32)
6_D12: length 187.4
  Top w0.25: U13.45 61.67,63.23 61.24,62.8 v1(61.24,61.04) ; U14.8 132.54,37.96 133.13,38.55 133.13,69.72 132.75,70.1 v1(131.9,70.1) ; U25.14 49.43,52.59 v1(47.63,52.59) ; v1(106.31,66.68) 106.31,68.75 v1(106.35,68.79) 106.35,101.1 105.81,101.64 U33.1 ; v1(72.3,64.89) 72.3,64.84 71.88,64.42 v1(71.88,61.05)
  Bottom w0.25: v1(106.35,68.79) 115.52,68.79 116.26,69.53 131.33,69.53 v1(131.9,70.1) ; v1(71.88,61.05) 71.87,61.04 v1(61.24,61.04) 61.24,59.19 60.97,58.92 55.8,58.92 55.32,58.44 55.32,54.96 55.03,54.67 51.85,54.67 51.41,54.23 41.18,54.23 40.85,53.9 40.85,52.94 41.15,52.64 47.58,52.64 v1(47.63,52.59) ; v1(72.3,64.89) 98.99,64.89 99.49,65.39 99.49,66.1 100.07,66.68 v1(106.31,66.68)
6_D13: length 174.9
  Top w0.25: U25.13 50.29,51.31 50.82,51.83 51.11,51.83 51.46,52.18 v1(51.46,55.92) ; U33.2 103.02,98.06 100.8,98.06 100.39,97.65 100.39,72.07 100.05,71.73 99.2,71.73 98.71,71.24 v1(98.71,69.61) ; v1(69.71,61.95) v1(69.71,68.79) ; U14.7 131.57,35.74 129.32,35.74 128.91,36.15 v1(128.91,70.53) ; U13.47 63.04,60.69 62.55,60.2 v1(59.48,60.2)
  Bottom w0.25: v1(69.71,68.79) 88.22,68.79 88.48,69.05 88.48,69.41 88.68,69.61 v1(98.71,69.61) 114.85,69.61 115.77,70.53 v1(128.91,70.53) ; v1(51.46,55.92) 50.97,55.92 50.67,56.22 50.67,60.48 51.23,61.04 58.49,61.04 58.89,60.64 59.19,60.64 59.48,60.35 v1(59.48,60.2) 59.92,60.64 60.17,60.64 60.48,60.95 60.48,61.68 60.69,61.89 65.58,61.89 65.95,61.52 69.28,61.52 v1(69.71,61.95)
6_D14: length 165.9
  Top w0.25: v1(51.56,50.41) 50.76,50.41 50.38,50.03 U25.12 ; v1(104.67,55.17) v1(104.67,64.08) 105.22,64.08 105.58,64.44 105.58,96.37 v1(105.59,96.38) ; v1(67.17,64.49) 66.32,64.49 65.85,64.02 65.85,58.9 65.47,58.52 64.25,58.52 63.88,58.15 U13.49 58.77,58.15 58.2,57.58 v1(58.2,50.41)
  Bottom w0.25: v1(58.2,50.41) v1(51.56,50.41) ; v1(67.17,64.49) 67.57,64.09 79.01,64.09 79.36,64.44 100.1,64.44 100.46,64.08 v1(104.67,64.08) ; U14.6 130.86,33.91 130.86,45.01 130.44,45.43 118.76,45.43 118.39,45.8 118.39,51.74 117.99,52.14 104.63,52.14 104.25,52.52 104.25,54.75 v1(104.67,55.17) ; U33.18 111.1,95.98 105.99,95.98 v1(105.59,96.38)
6_D15: length 213.3
  Top w0.25: U14.5 133.02,30.34 133.58,30.9 133.58,99.81 133.1,100.29 131.38,100.29 130.95,100.72 130.95,102.43 130.56,102.82 113.42,102.82 113.09,102.49 113.09,100.23 112.66,99.8 112,99.8 111.68,99.48 U33.19 111.14,99.1 110.65,98.61 110.65,78.08 110.95,77.78 111.34,77.78 111.91,77.21 v1(111.91,67.07) ; v1(51.02,47.45) 50.54,47.93 50.54,48.38 50.16,48.77 U25.11 ; v1(61.68,50.85) 61.68,55.23 62.06,55.61 U13.51 64.21,55.61 64.87,56.27 64.87,56.63 65.07,56.83 67.51,56.83 67.98,57.3 v1(67.98,66.18)
  Bottom w0.25: v1(51.02,47.45) 51.02,48.04 51.32,48.34 61.21,48.34 61.68,48.81 v1(61.68,50.85) ; v1(67.98,66.18) 67.98,67.02 68.44,67.48 111.5,67.48 v1(111.91,67.07)
6_HDLA: length 203.4
  Top w0.25: v1(79.89,63.63) 79.89,75.76 80.03,75.9 v1(80.83,75.9) ; v1(41.65,86.5) 41.65,88.47 U21.1 ; U13.65 81.6,54.86 82.19,55.45 82.65,55.45 82.9,55.7 v1(82.9,63.63) ; v1(95.73,37.33) 95.3,37.76 95.3,39.25 95.53,39.48 96,39.48 96.13,39.61 96.13,63.41 95.91,63.63 v1(95.27,63.63) ; U29.1 76.64,87.99 v1(76.64,85.69) 78.88,85.69 79.12,85.45 79.12,81.89 v1(78.7,81.47) ; U41.59 91.67,15.71 92.06,15.32 92.51,15.32 92.61,15.22 92.61,14.11 93.12,13.6 v1(96.87,13.6) ; v1(61.67,86.12) 61.21,85.66 61.21,83.63 v1(61.19,83.61) ; v1(119.87,14.92) 119.96,15.01 v1(119.96,31.37)
  Bottom w0.25: v1(78.7,81.47) 80.28,81.47 80.83,80.92 v1(80.83,75.9) ; v1(41.65,86.5) 41.65,84.65 42.31,83.99 60.81,83.99 v1(61.19,83.61) ; v1(79.89,63.63) v1(82.9,63.63) v1(95.27,63.63) ; v1(76.64,85.69) 76.21,86.12 v1(61.67,86.12) ; v1(95.73,37.33) 96.16,37.76 115.02,37.76 115.47,37.31 115.47,32.22 116.32,31.37 v1(119.96,31.37) ; v1(96.87,13.6) 97.15,13.88 112.38,13.88 112.68,13.58 119.52,13.58 119.87,13.93 v1(119.87,14.92)
6_HOLD: length 77.7
  Top w0.25: U13.64 80.33,55.67 v1(80.31,55.69) ; v1(80.78,51.78) 81.13,51.43 81.13,44.98 v1(81.11,44.96) ; v1(85.46,38.56) 85.9,39 v1(85.9,44.95) ; v1(74,31.83) 73.14,31.83 72.59,31.28 72.59,17.37 72.17,16.95 65.8,16.95 65.39,16.54 65.39,7.99 U41.34
  Bottom w0.25: v1(85.9,44.95) 85.89,44.96 v1(81.11,44.96) ; v1(74,31.83) 74,32.28 73.69,32.59 72.09,32.59 71.75,32.93 71.75,37.22 72.49,37.96 85.13,37.96 85.46,38.29 v1(85.46,38.56) ; v1(80.31,55.69) 80.92,55.08 80.92,51.92 v1(80.78,51.78)
